# Altium PCB Gould.PcbDoc (part 1 of 2)
Units mm, origin at the board's own origin, x right, y up, seen from the top; angles counter-clockwise.
Board outline 85.5 x 34 mm, 6 copper layers (Top Layer, Plane 1, Plane 2, Plane 3, Plane 4, Bottom Layer), stack 1.545 mm thick; 155 components, 83 nets, 531 pads, 234 vias.
Unrouted connection lines stored in the file: 4.
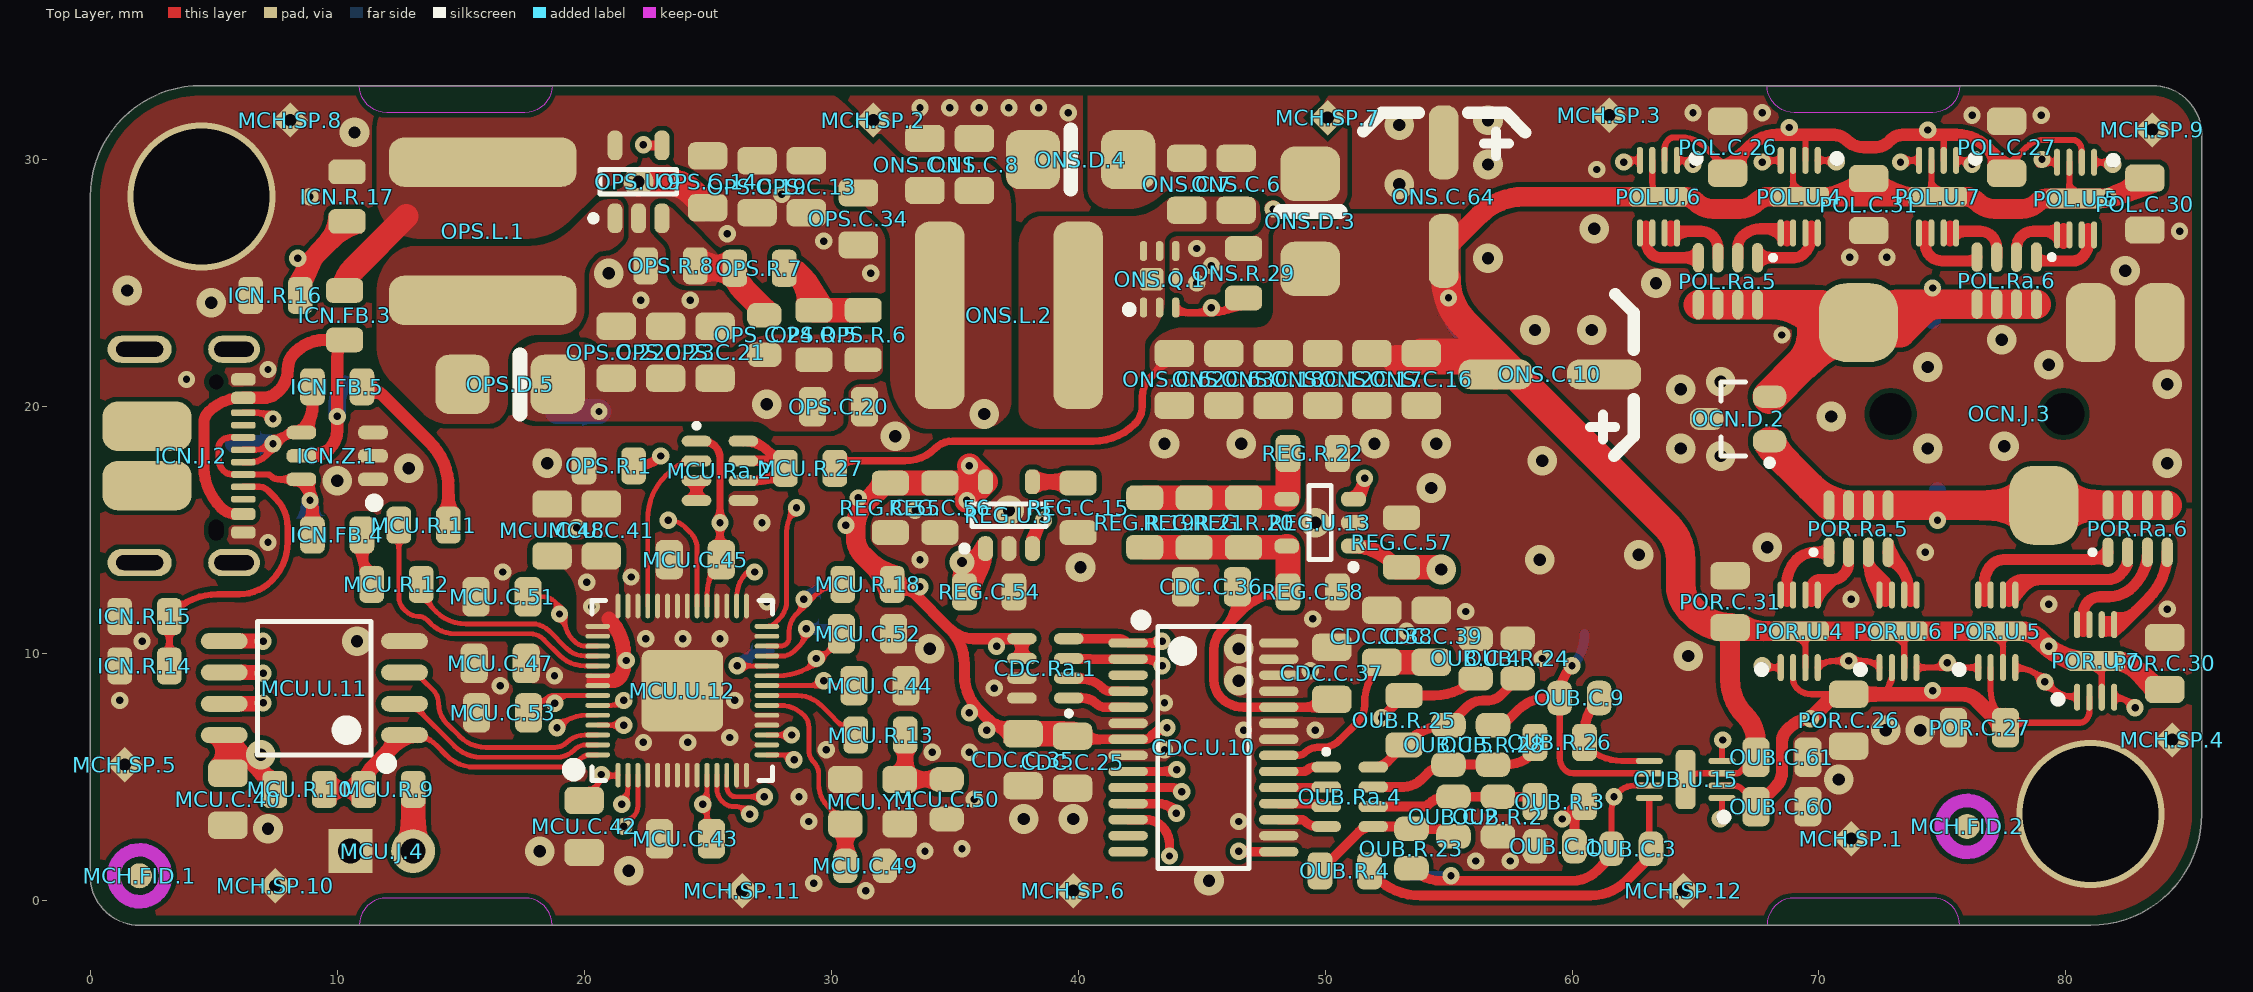
[diagram p0: Top Layer view]
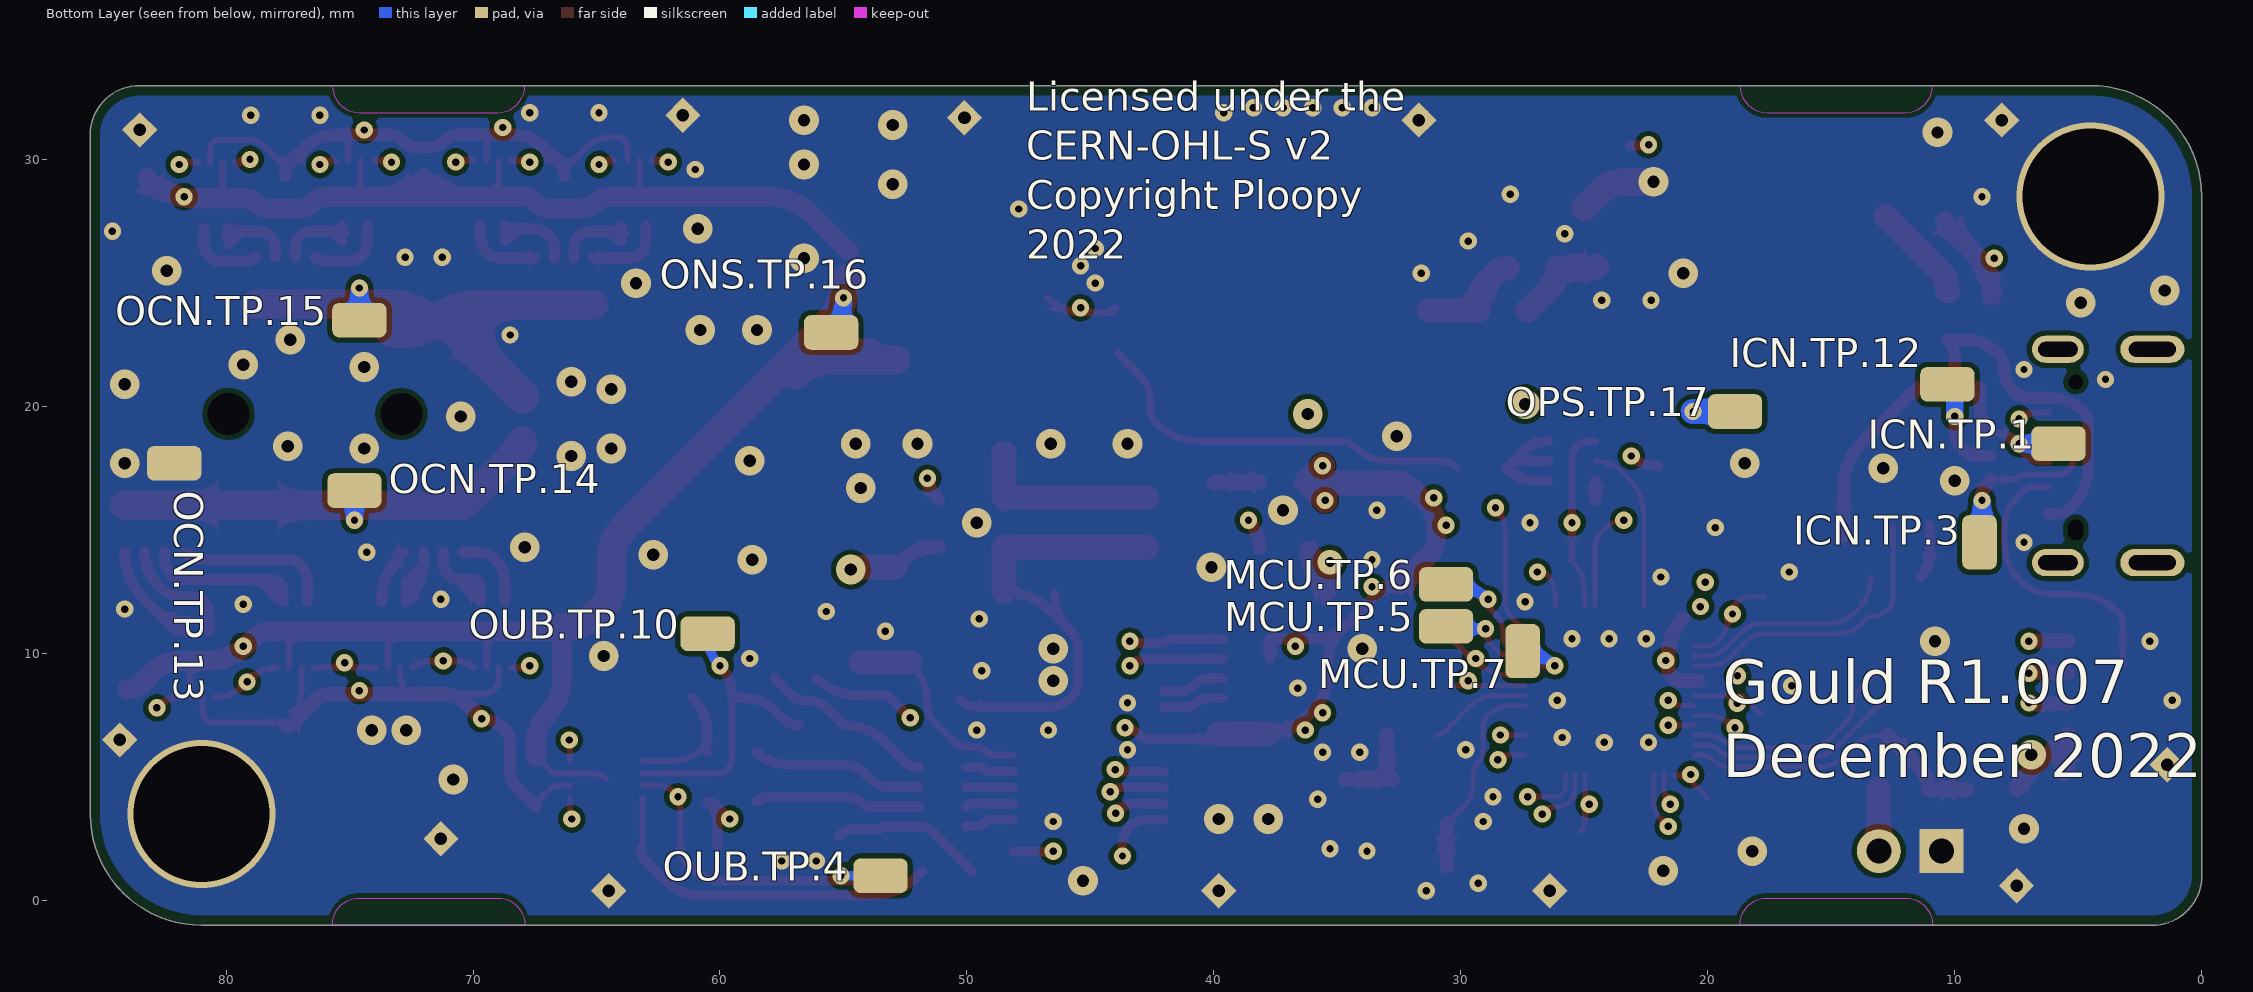
[diagram p1: Bottom Layer view, seen from below]
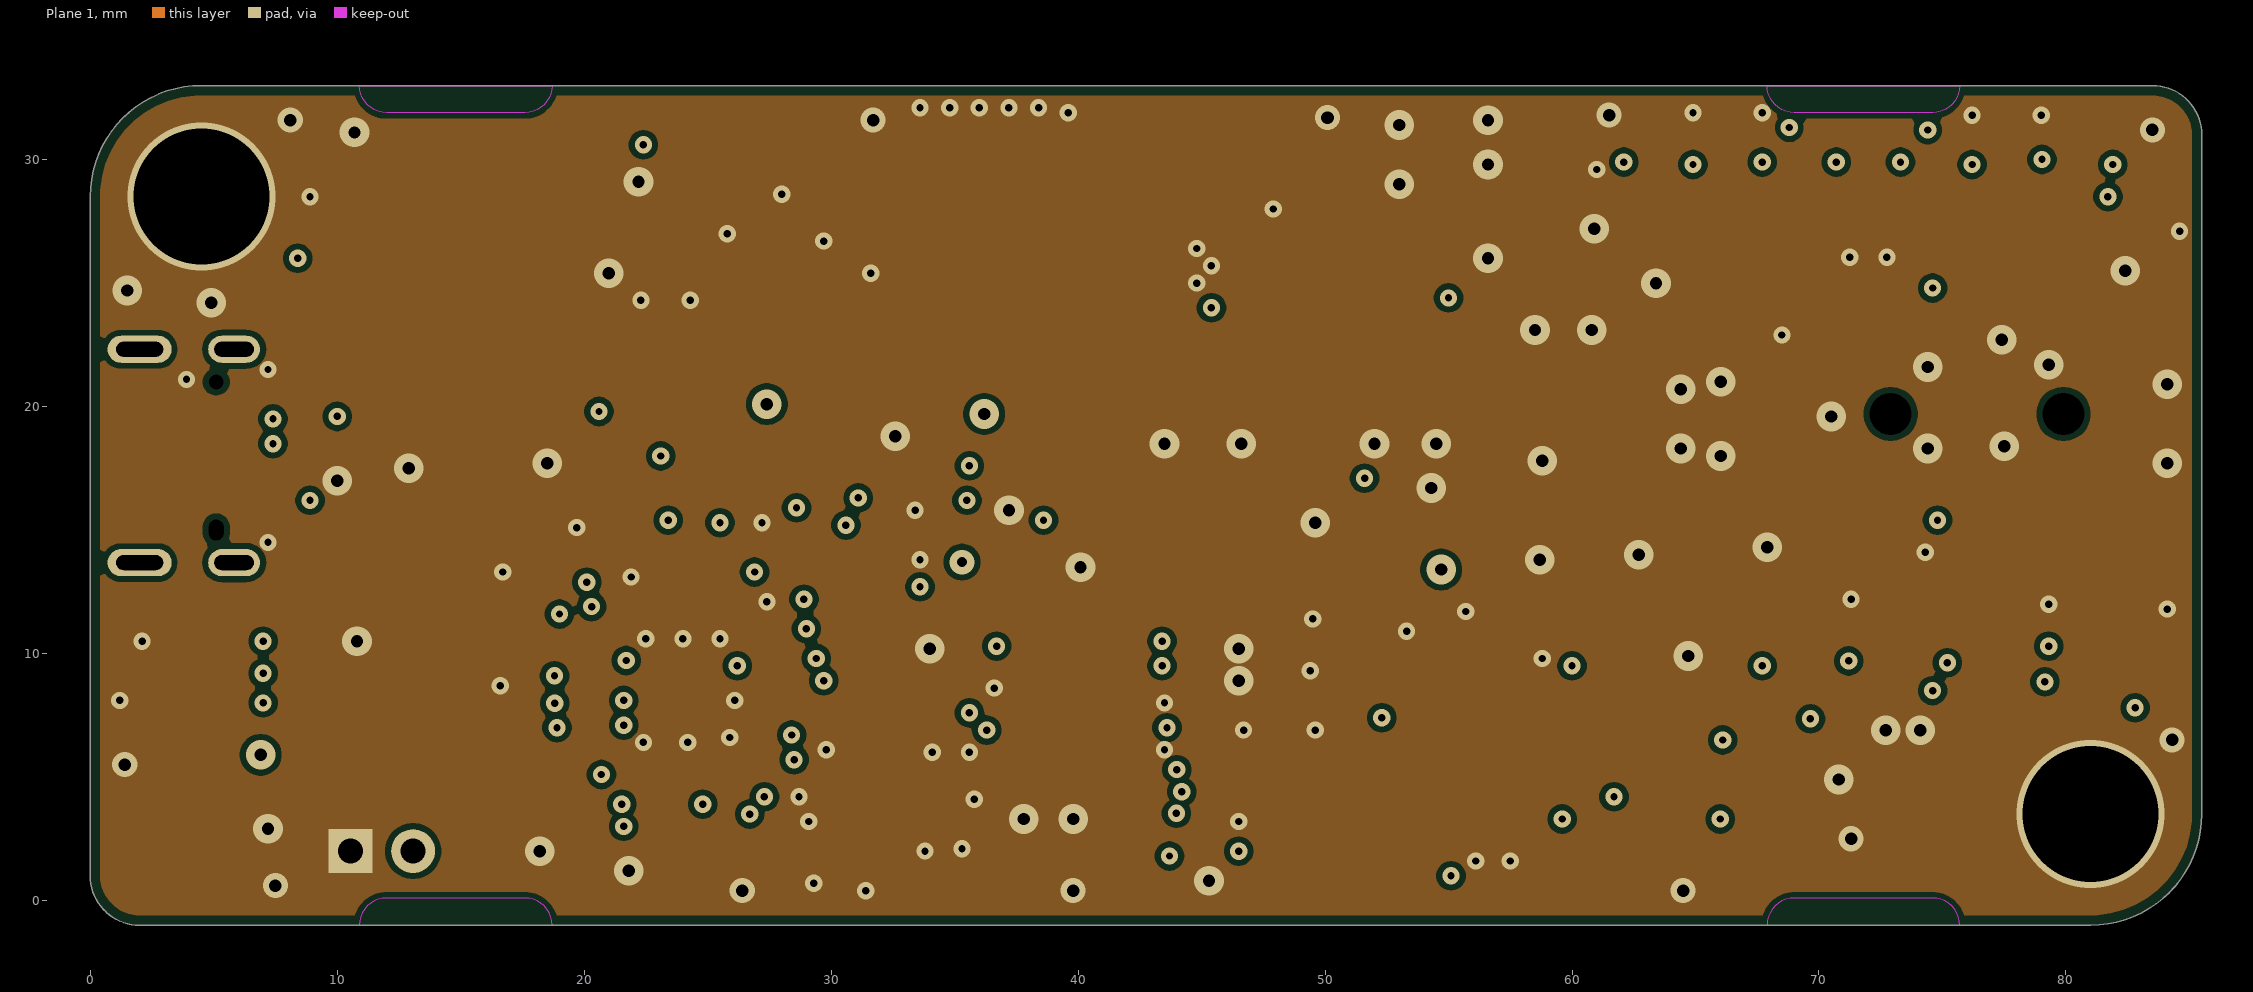
[diagram p2: Plane 1]
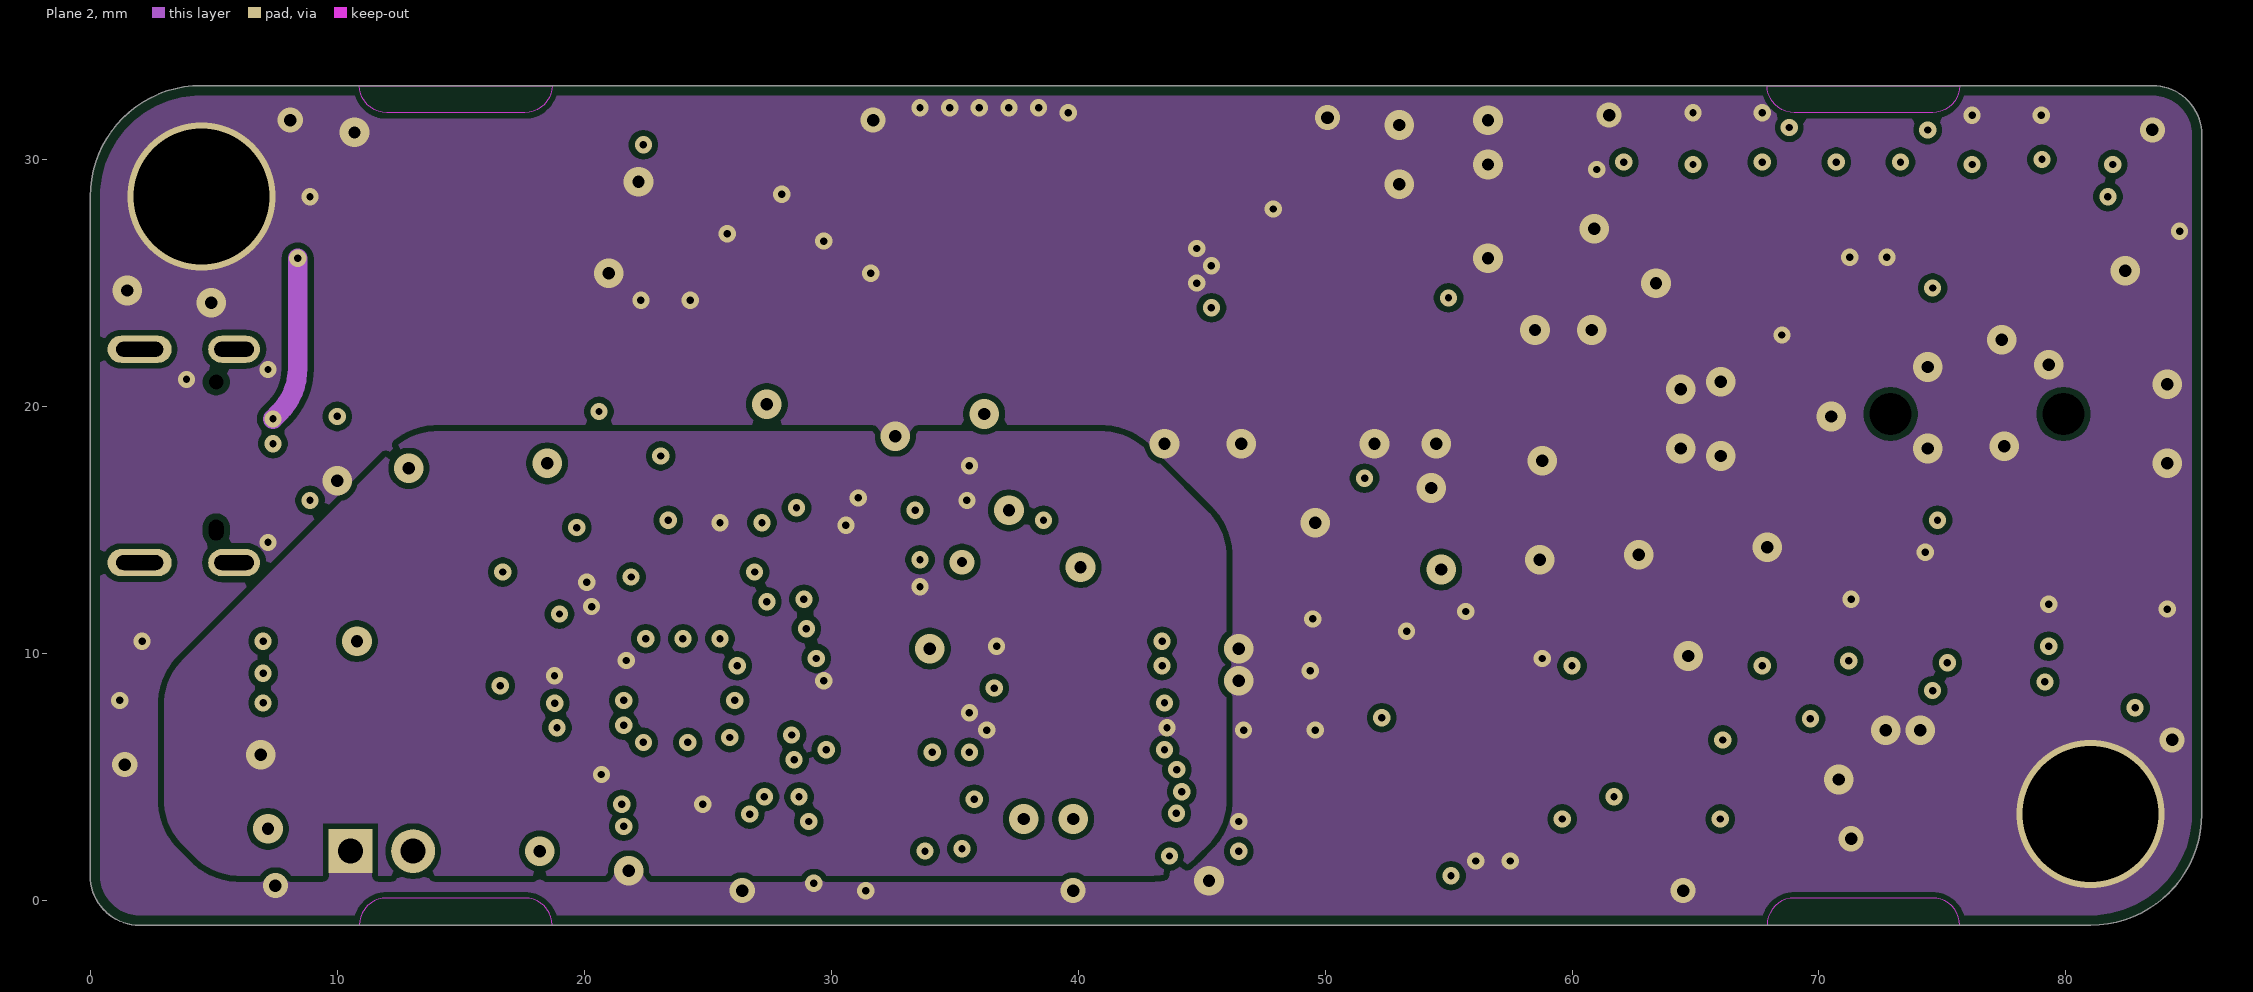
[diagram p3: Plane 2]
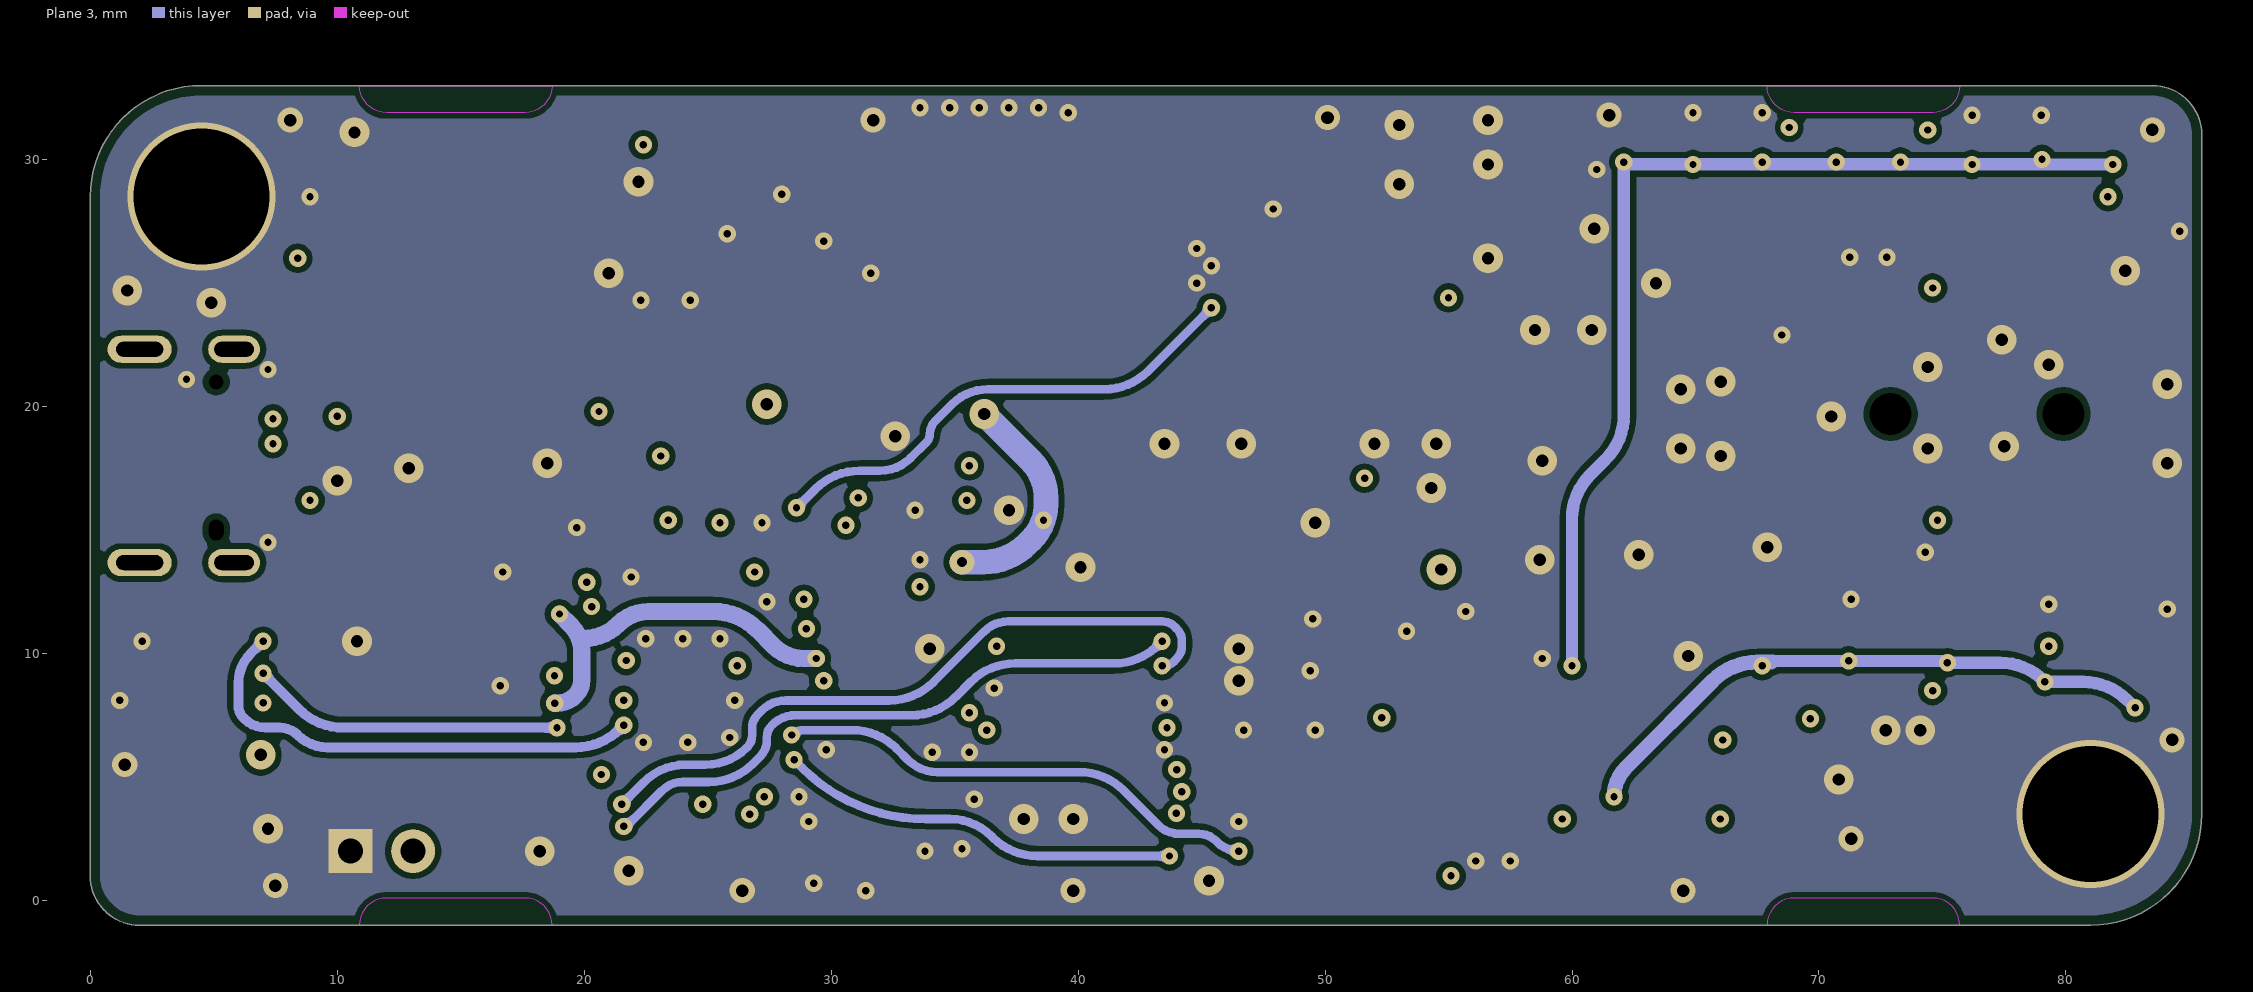
[diagram p4: Plane 3]
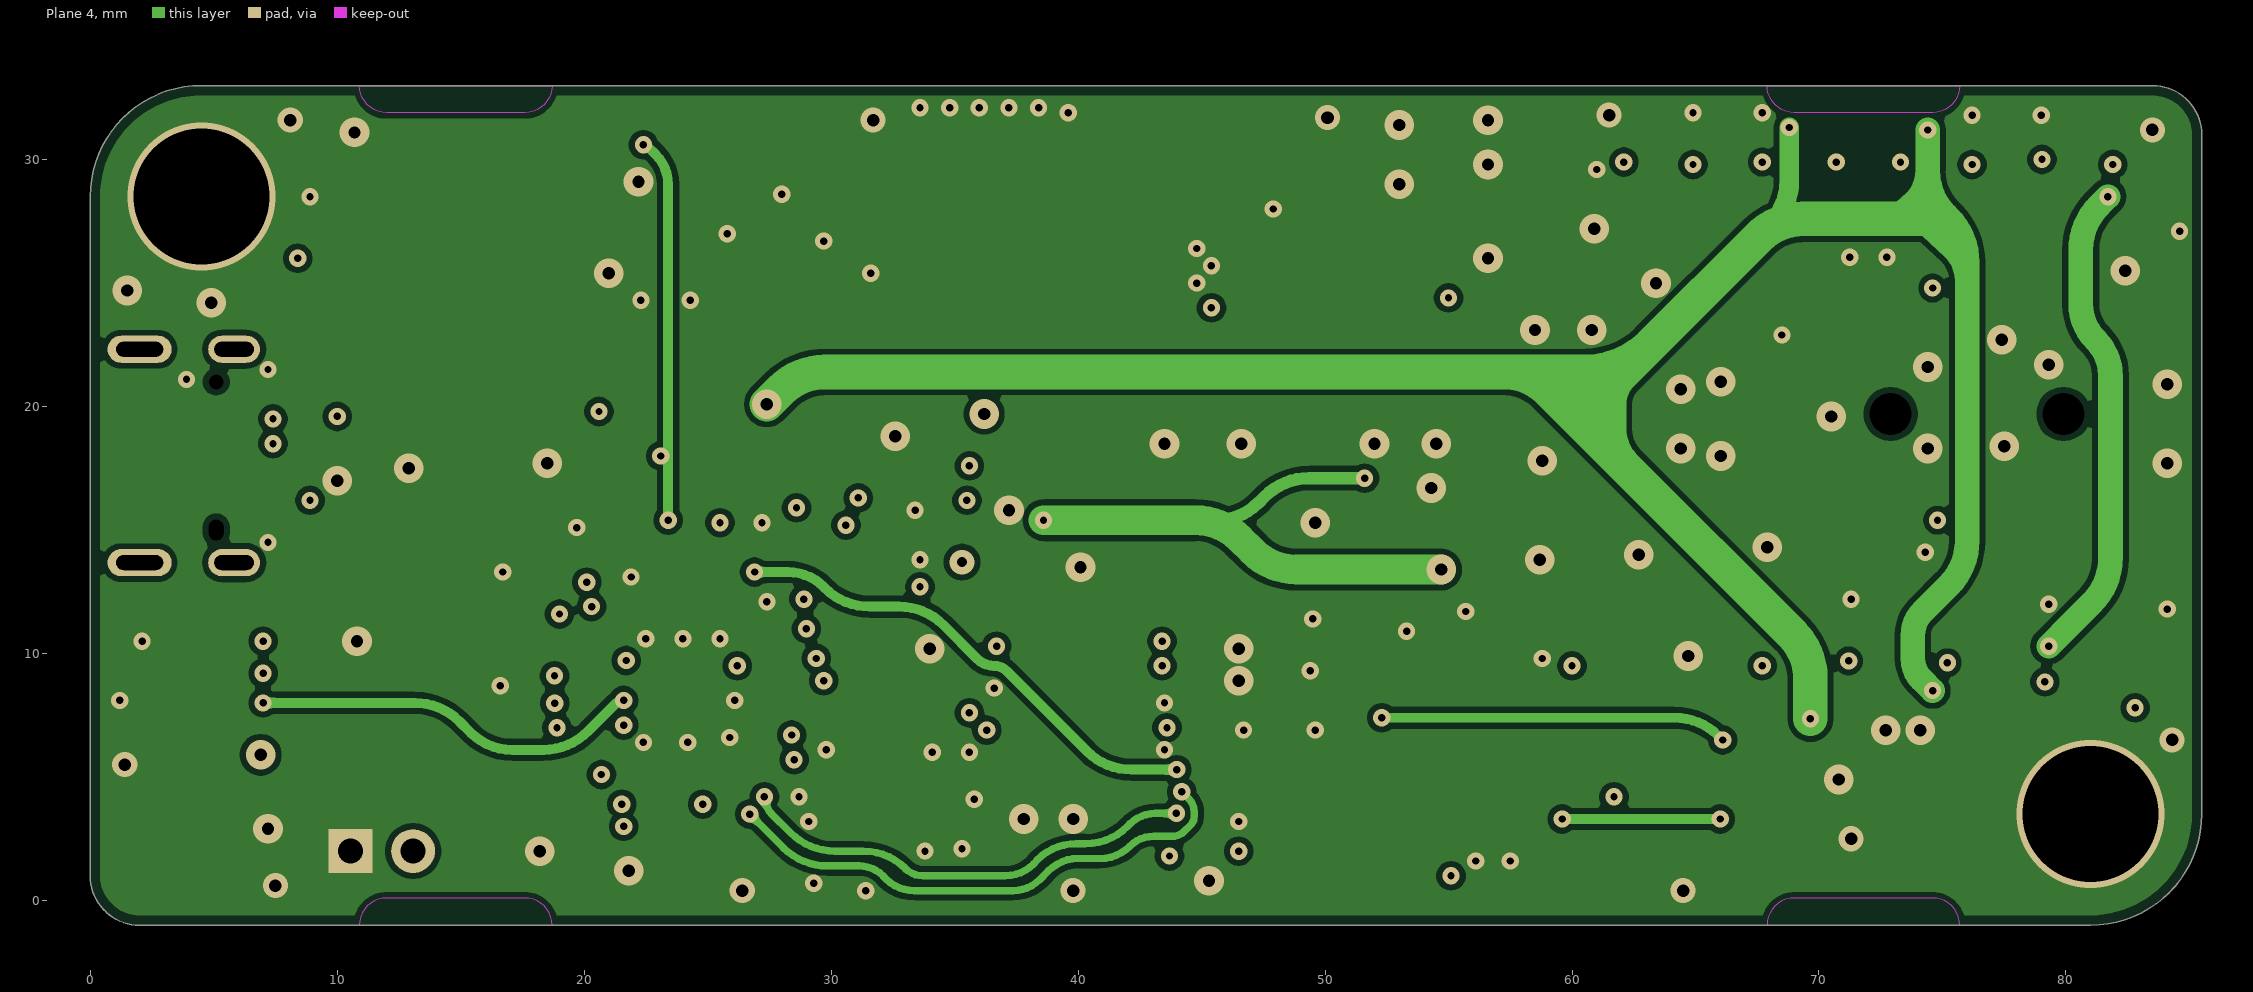
[diagram p5: Plane 4]

## Layer stack, top to bottom
Top Mask: solder mask 0.01, Solder Resist, Dk 3.5
Top Layer: signal copper 0.035
Dielectric 1: prepreg 0.0994, FR-4, Dk 4.2
Plane 1: signal copper 0.0152
Dielectric 4: core 0.55, Dk 4.2
Plane 2: signal copper 0.0175
Dielectric 5: prepreg 0.1088, FR-4, Dk 4.1
Plane 3: signal copper 0.0175
Dielectric 3: core 0.55, FR-4, Dk 4.1
Plane 4: signal copper 0.0175
Dielectric 2: prepreg 0.0994, Dk 4.2
Bottom Layer: signal copper 0.035
Bottom Solder: solder mask 0.01, Solder Resist, Dk 3.5

## Board outline
2,-1 cw(c2,1) 0,1 0,28.5 cw(c4.5,28.5) 4.5,33 83.5,33 cw(c83.5,31) 85.5,31 85.5,3.5 cw(c81,3.5) 81,-1

## Design rules (kind name [scope] priority, off if disabled: settings)
BoardOutlineClearance [(Not HasFootprint('SPARKGAP'))] p1: gap=0.4 ignorepadtopadclearanceinfootprint=FALSE except(0: Arc-SplitBarrior Arc-SplitContinuation Track-SplitBarrior Track-SplitContinuation SMDPad-SplitBarrior SMDPad-SplitContinuation THPad-SplitBarrior THPad-SplitContinuation Via-SplitBarrior Via-SplitContinuation Fill-SplitBarrior Fill-SplitContinuation Poly-SplitBarrior Poly-SplitContinuation Region-SplitBarrior Region-SplitContinuation Text-SplitBarrior Text-SplitContinuation)
Clearance "HighV Pads" [(InNetClass('HighV') AND (IsPad OR IsVia)) vs IsPad OR IsVia] p1: gap=0.4 ignorepadtopadclearanceinfootprint=FALSE except(0: Arc-Hole Track-Hole SMDPad-Hole THPad-Hole Via-Hole Fill-Hole Poly-Hole Region-Hole Text-Hole) // Establishes minimum clearance between bare pads that are high voltage, per IPC2221A Table 6-1, 51-100V, condition A6
Clearance Inter-Pad [IsPad vs IsPad] p2: gap=0.2 ignorepadtopadclearanceinfootprint=FALSE except(0: Arc-Hole Track-Hole SMDPad-Hole THPad-Hole Via-Hole Fill-Hole Poly-Hole Region-Hole Text-Hole)
Clearance "Spark Gaps" [InNetClass('Spark Gap') vs InNet('GND') And InPoly] p3: gap=0.635 ignorepadtopadclearanceinfootprint=FALSE except(0: Arc-Hole Track-Hole SMDPad-Hole THPad-Hole Via-Hole Fill-Hole Poly-Hole Region-Hole Text-Hole)
Clearance FIDs [Name like 'FID*'] p4: gap=1.016 ignorepadtopadclearanceinfootprint=FALSE except(0: Arc-Hole Track-Hole SMDPad-Hole THPad-Hole Via-Hole Fill-Hole Poly-Hole Region-Hole Text-Hole)
Clearance "Inner Planes" [InPoly AND OnMid] p5: gap=0.24 ignorepadtopadclearanceinfootprint=FALSE except(0: Arc-Hole Track-Hole SMDPad-Hole THPad-Hole Via-Hole Fill-Hole Poly-Hole Region-Hole Text-Hole) // Defines a larger clearance for planes on inner layers.
Clearance "All Planes" [InPoly] p6: gap=0.2 ignorepadtopadclearanceinfootprint=FALSE except(0: Arc-Hole Track-Hole SMDPad-Hole THPad-Hole Via-Hole Fill-Hole Poly-Hole Region-Hole Text-Hole) // Defines minimum clearance between planes on the same layer.
Clearance "Inner Layer Clearance" [OnMid vs OnMid] p7: gap=0.22 ignorepadtopadclearanceinfootprint=FALSE // We will give inner layers more spacing because they tend to be subject to stricter process limits.
Clearance [All] p8: gap=0.2 ignorepadtopadclearanceinfootprint=FALSE except(0: Arc-Hole Track-Hole SMDPad-Hole THPad-Hole Via-Hole Fill-Hole Poly-Hole Region-Hole Text-Hole)
ComponentClearance "Terminal Block" [(HasFootprint('Phoenix 1933189 - Header')) vs (HasFootprint('Phoenix 1933189 - Header'))] p1: gap=-2.286 collisioncheckmode=3 verticalgap=0.254 showdistances=FALSE
ComponentClearance "FET/TP self Clearance" [(Name like 'Q*') Or (Name like 'TP*') vs (Name like 'Q*') Or (Name like 'TP*')] p2: gap=0.254 collisioncheckmode=3 verticalgap=0.254 showdistances=FALSE
ComponentClearance [Not ((Name like 'H*') Or (Name like 'FID*') Or (Name like 'SP*')) vs Not ((Name like 'H*') Or (Name like 'FID*') Or (Name like 'SP*'))] p3: gap=0.5 collisioncheckmode=3 verticalgap=0.5 showdistances=FALSE
DiffPairsRouting [All] p1: maxlimit=0.508 minlimit=0.279 mostfreqgap=0.381 substack1={769A8C6D-1C2C-4ABD-9F78-73D1337B8DA3} toplayer_{769a8c6d-1c2c-4abd-9f78-73d1337b8da3}_minwidth=0.381 toplayer_{769a8c6d-1c2c-4abd-9f78-73d1337b8da3}_maxwidth=0.381 toplayer_{769a8c6d-1c2c-4abd-9f78-73d1337b8da3}_prefwidth=0.381 midlayer1_{769a8c6d-1c2c-4abd-9f78-73d1337b8da3}_minwidth=0.381 midlayer1_{769a8c6d-1c2c-4abd-9f78-73d1337b8da3}_maxwidth=0.381 midlayer1_{769a8c6d-1c2c-4abd-9f78-73d1337b8da3}_prefwidth=0.381 midlayer2_{769a8c6d-1c2c-4abd-9f78-73d1337b8da3}_minwidth=0.381 midlayer2_{769a8c6d-1c2c-4abd-9f78-73d1337b8da3}_maxwidth=0.381 midlayer2_{769a8c6d-1c2c-4abd-9f78-73d1337b8da3}_prefwidth=0.381 midlayer3_{769a8c6d-1c2c-4abd-9f78-73d1337b8da3}_minwidth=0.381 midlayer3_{769a8c6d-1c2c-4abd-9f78-73d1337b8da3}_maxwidth=0.381 midlayer3_{769a8c6d-1c2c-4abd-9f78-73d1337b8da3}_prefwidth=0.381 midlayer4_{769a8c6d-1c2c-4abd-9f78-73d1337b8da3}_minwidth=0.381 midlayer4_{769a8c6d-1c2c-4abd-9f78-73d1337b8da3}_maxwidth=0.381 midlayer4_{769a8c6d-1c2c-4abd-9f78-73d1337b8da3}_prefwidth=0.381 bottomlayer_{769a8c6d-1c2c-4abd-9f78-73d1337b8da3}_minwidth=0.381 bottomlayer_{769a8c6d-1c2c-4abd-9f78-73d1337b8da3}_maxwidth=0.381 bottomlayer_{769a8c6d-1c2c-4abd-9f78-73d1337b8da3}_prefwidth=0.381 toplayer_prefgap=0.279 toplayer_minwidth=0.279 toplayer_maxwidth=0.508 toplayer_prefwidth=0.381 midlayer1_mingap=0.305 midlayer1_minwidth=0.305 midlayer1_maxwidth=0.508 midlayer1_prefwidth=0.381 midlayer2_mingap=0.305 midlayer2_minwidth=0.305 midlayer2_maxwidth=0.508 midlayer2_prefwidth=0.381 midlayer3_prefgap=0.279 midlayer3_minwidth=0.279 midlayer3_maxwidth=0.508 midlayer3_prefwidth=0.381 midlayer4_prefgap=0.279 midlayer4_minwidth=0.279 midlayer4_maxwidth=0.508 midlayer4_prefwidth=0.381 bottomlayer_prefgap=0.279 bottomlayer_minwidth=0.279 bottomlayer_maxwidth=0.508 bottomlayer_prefwidth=0.381 substack2={A03B90BE-C57E-4979-B836-CB99E35B1D7B} toplayer_{a03b90be-c57e-4979-b836-cb99e35b1d7b}_minwidth=0.381 toplayer_{a03b90be-c57e-4979-b836-cb99e35b1d7b}_maxwidth=0.381 toplayer_{a03b90be-c57e-4979-b836-cb99e35b1d7b}_prefwidth=0.381 midlayer1_{a03b90be-c57e-4979-b836-cb99e35b1d7b}_minwidth=0.381 midlayer1_{a03b90be-c57e-4979-b836-cb99e35b1d7b}_maxwidth=0.381 midlayer1_{a03b90be-c57e-4979-b836-cb99e35b1d7b}_prefwidth=0.381 midlayer2_{a03b90be-c57e-4979-b836-cb99e35b1d7b}_minwidth=0.381 midlayer2_{a03b90be-c57e-4979-b836-cb99e35b1d7b}_maxwidth=0.381 midlayer2_{a03b90be-c57e-4979-b836-cb99e35b1d7b}_prefwidth=0.381 midlayer3_{a03b90be-c57e-4979-b836-cb99e35b1d7b}_minwidth=0.381 midlayer3_{a03b90be-c57e-4979-b836-cb99e35b1d7b}_maxwidth=0.381 midlayer3_{a03b90be-c57e-4979-b836-cb99e35b1d7b}_prefwidth=0.381 midlayer4_{a03b90be-c57e-4979-b836-cb99e35b1d7b}_minwidth=0.381 midlayer4_{a03b90be-c57e-4979-b836-cb99e35b1d7b}_maxwidth=0.381 midlayer4_{a03b90be-c57e-4979-b836-cb99e35b1d7b}_prefwidth=0.381 bottomlayer_{a03b90be-c57e-4979-b836-cb99e35b1d7b}_minwidth=0.381 bottomlayer_{a03b90be-c57e-4979-b836-cb99e35b1d7b}_maxwidth=0.381 bottomlayer_{a03b90be-c57e-4979-b836-cb99e35b1d7b}_prefwidth=0.381 maxuncoupledlength=12.7
Height [All] p1: minheight=0 maxheight=41 prefheight=12.7
HoleSize [All] p1: absolutevalues=TRUE maxlimit=100 minlimit=0.2 maxpercent=80.000 minpercent=20.000
HoleToHoleClearance [All] p1: gap=0.5 allowstackedmicrovias=TRUE
LayerPairs [All] p1: enforce=FALSE
MinimumSolderMaskSliver [All] p1: minsoldermaskwidth=0.09
NetAntennae [Not (HasFootprint('BALANCE_RESISTOR'))] p1: netantennaetolerance=0
PasteMaskExpansion [All] p1: expansion=-0.025
PlaneClearance [All] p1: clearance=0.3
PlaneConnect [All] p1: pad.planeconnectstyle=Relief pad.reliefexpansion=0.5 pad.reliefentries=4 pad.reliefconductorwidth=0.5 pad.reliefairgap=0.25 via.planeconnectstyle=Direct via.reliefexpansion=0.5 via.reliefentries=4 via.reliefconductorwidth=0.5 via.reliefairgap=0.25
PolygonConnect "PolygonConnect Spark Gap" [HasFootprint('SparkGap')] p1: connectstyle=Direct reliefconductorwidth=0.254 reliefentries=4 polygonreliefangle="90 Angle" airgapwidth=0.254 // This rule makes it so spark gaps get direct connections to ground planes.
PolygonConnect PolygonConnect_GND [All vs InNet('GND')] p2: connectstyle=Direct reliefconductorwidth=0.5 reliefentries=4 polygonreliefangle="90 Angle" airgapwidth=0.25 // This rule specifies all vias and holes connected to a GND plane have direct connections.